# Altium PCB mantarray_beta2_sensor_arrayed.PcbDoc (part 9 of 14) (continued)
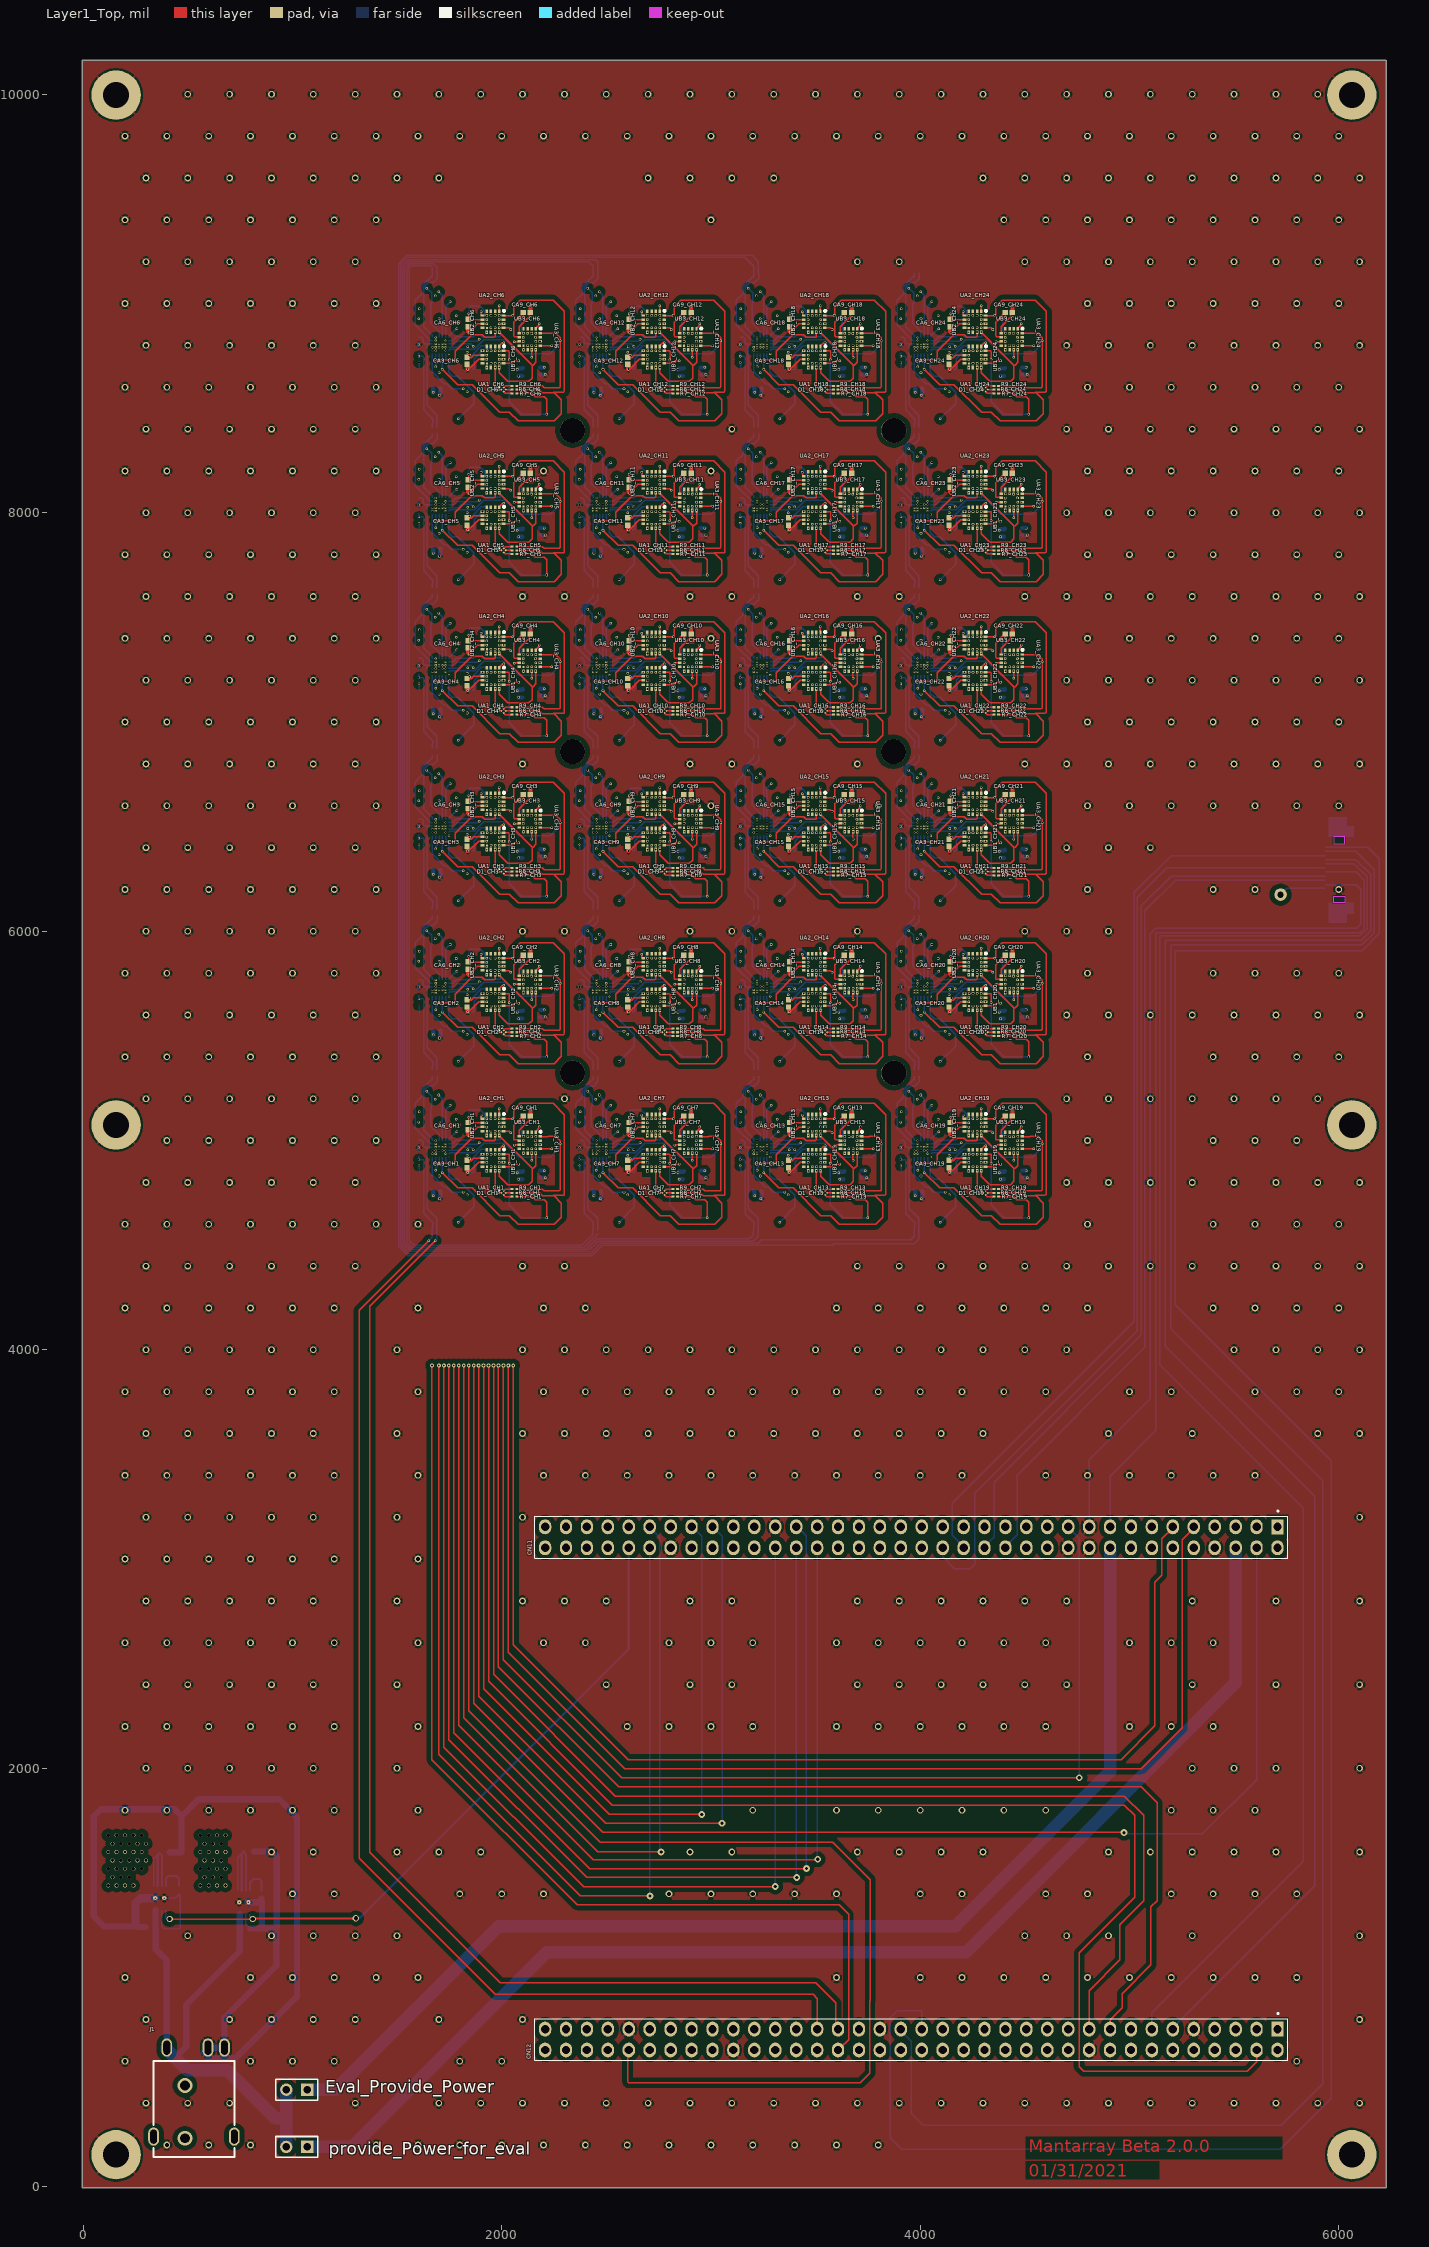
[diagram p0: Layer1_Top view]
## Nets (pads, with @x,y where several pads share a name; then routed paths per layer and width w, separated by ;. In a path a pad name is that pad's centre, name@x,y a point inside that pad or via, vN(x,y) a via of type N, cw(c..) or ccw(c..) an arc to the next point about the centre after c; other vN are vias at no path point) (continued)
  Layer7_sig2 w6: v3(1732.28,4952.76) 1833.49,4952.76 1836.65,4955.91 v1(1838.28,4955.91) ; v3(1732.28,5720.47) 1833.49,5720.47 1836.65,5723.63 v1(1838.28,5723.63) ; v3(1732.28,6488.19) 1833.49,6488.19 1836.65,6491.35 v1(1838.28,6491.35) ; v3(1732.28,7255.91) 1833.49,7255.91 1836.65,7259.06 v1(1838.28,7259.06) ; v3(1732.28,8023.62) 1833.49,8023.62 1836.65,8026.78 v1(1838.28,8026.78) ; v3(1732.28,8791.34) 1833.49,8791.34 1836.65,8794.5 v1(1838.28,8794.5) ; v4(1796.53,9560.31) 1796.97,9559.86 1818.71,9559.86 1819.16,9560.31 2530.24,9560.31 2599.71,9490.84 v4(2601.08,9490.84) ; v3(2500,4952.76) 2601.21,4952.76 2604.37,4955.91 v1(2605.99,4955.91) ; v3(2500,5720.47) 2601.21,5720.47 2604.37,5723.63 v1(2605.99,5723.63) ; v3(2500,6488.19) 2601.21,6488.19 2604.37,6491.35 v1(2605.99,6491.35) ; v3(2500,7255.91) 2601.21,7255.91 2604.37,7259.06 v1(2605.99,7259.06) ; v3(2500,8023.62) 2601.21,8023.62 2604.37,8026.78 v1(2605.99,8026.78) ; v3(2500,8791.34) 2601.21,8791.34 2604.37,8794.5 v1(2605.99,8794.5) ; v4(2591.8,4146.39) 2592.25,4146.83 2613.99,4146.83 2614.43,4146.39 3335.36,4146.39 3451.09,4262.11 v4(3452.45,4262.11) ; v3(3267.72,4952.76) 3368.93,4952.76 3372.09,4955.91 v1(3373.71,4955.91) ; v3(3267.72,5720.47) 3368.93,5720.47 3372.09,5723.63 v1(3373.71,5723.63) ; v3(3267.72,6488.19) 3368.93,6488.19 3372.09,6491.35 v1(3373.71,6491.35) ; v3(3267.72,7255.91) 3368.93,7255.91 3372.09,7259.06 v1(3373.71,7259.06) ; v3(3267.72,8023.62) 3368.93,8023.62 3372.09,8026.78 v1(3373.71,8026.78) ; v3(3267.72,8791.34) 3368.93,8791.34 3372.09,8794.5 v1(3373.71,8794.5) ; v4(3363.46,9542.59) 3363.9,9542.15 4106.03,9542.15 v4(4107.55,9540.62) ; v3(4035.43,4952.76) 4136.64,4952.76 4139.8,4955.91 v1(4141.43,4955.91) ; v3(4035.43,5720.47) 4136.64,5720.47 4139.8,5723.63 v1(4141.43,5723.63) ; v3(4035.43,6488.19) 4136.64,6488.19 4139.8,6491.35 v1(4141.43,6491.35) ; v3(4035.43,7255.91) 4136.64,7255.91 4139.8,7259.06 v1(4141.43,7259.06) ; v3(4035.43,8023.62) 4136.64,8023.62 4139.8,8026.78 v1(4141.43,8026.78) ; v3(4035.43,8791.34) 4136.64,8791.34 4139.8,8794.5 v1(4141.43,8794.5)
  Layer8_BOT w6: CN11.21@4707.48,3153.94 4707.48,3152.76 4759.84,3100.39 v9(4759.84,1954.72)
IOREF: CN11.12
mag_int_A_CH1: U1_CH1.B5 UA1_CH1.8 UB1_CH1.15 | length 970.6
  Layer1_Top w6: v1(1968.87,4764.15) 1968.93,4764.21 1968.93,4855.67 v1(1969,4855.73)
  Layer2_sig1 w6: v1(1949.31,4875.21) 1950.42,4874.1 1950.42,4868.47 1962.06,4856.84 1967.88,4856.84 v1(1969,4855.73)
  Layer7_sig2 w6: v3(1685.04,4984.25) 1683.93,4985.36 1650.46,4985.36 1620.08,5015.75 1588.58,5015.75 1582.68,5009.84 1582.68,4769.69 1661.42,4690.94 1965.36,4690.94 1968.87,4694.46 v1(1968.87,4764.15)
mag_int_A_CH2: U1_CH2.B5 UA1_CH2.8 UB1_CH2.15 | length 970.6
  Layer1_Top w6: v1(1968.87,5531.87) v1(1968.87,5531.87) 1968.93,5623.38 v1(1969,5623.44)
  Layer2_sig1 w6: v1(1949.31,5642.92) 1950.42,5641.81 1950.42,5636.19 1962.06,5624.56 1967.88,5624.56 v1(1969,5623.44)
  Layer7_sig2 w6: v3(1685.04,5751.97) 1683.93,5753.08 1650.46,5753.08 1620.08,5783.46 1588.58,5783.46 1582.68,5777.56 1582.68,5537.4 1661.42,5458.66 1965.36,5458.66 1968.87,5462.18 v1(1968.87,5531.87)
mag_int_A_CH3: U1_CH3.B5 UA1_CH3.8 UB1_CH3.15 | length 970.6
  Layer1_Top w6: v1(1968.87,6299.58) v1(1968.87,6299.58) 1968.93,6391.1 v1(1969,6391.16)
  Layer2_sig1 w6: v1(1949.31,6410.64) 1950.42,6409.53 1950.42,6403.91 1962.06,6392.27 1967.88,6392.27 v1(1969,6391.16)
  Layer7_sig2 w6: v3(1685.04,6519.69) 1683.93,6520.8 1650.46,6520.8 1620.08,6551.18 1588.58,6551.18 1582.68,6545.28 1582.68,6305.12 1661.42,6226.38 1965.36,6226.38 1968.87,6229.89 v1(1968.87,6299.58)
mag_int_A_CH4: U1_CH4.B5 UA1_CH4.8 UB1_CH4.15 | length 970.6
  Layer1_Top w6: v1(1968.87,7067.3) 1968.93,7067.36 1968.93,7158.82 v1(1969,7158.88)
  Layer2_sig1 w6: v1(1949.31,7178.36) 1950.42,7177.25 1950.42,7171.62 1962.06,7159.99 1967.88,7159.99 v1(1969,7158.88)
  Layer7_sig2 w6: v3(1685.04,7287.4) 1683.93,7288.51 1650.46,7288.51 1620.08,7318.9 1588.58,7318.9 1582.68,7312.99 1582.68,7072.83 1661.42,6994.09 1965.36,6994.09 1968.87,6997.61 v1(1968.87,7067.3)
mag_int_A_CH5: U1_CH5.B5 UA1_CH5.8 UB1_CH5.15 | length 970.6
  Layer1_Top w6: v1(1968.87,7835.01) 1968.93,7835.08 1968.93,7926.53 v1(1969,7926.59)
  Layer2_sig1 w6: v1(1949.31,7946.07) 1950.42,7944.96 1950.42,7939.34 1962.06,7927.71 1967.88,7927.71 v1(1969,7926.59)
  Layer7_sig2 w6: v3(1685.04,8055.12) 1683.93,8056.23 1650.46,8056.23 1620.08,8086.61 1588.58,8086.61 1582.68,8080.71 1582.68,7840.55 1661.42,7761.81 1965.36,7761.81 1968.87,7765.33 v1(1968.87,7835.01)
mag_int_A_CH6: U1_CH6.B5 UA1_CH6.8 UB1_CH6.15 | length 970.6
  Layer1_Top w6: v1(1968.87,8602.73) 1968.93,8602.79 1968.93,8694.25 v1(1969,8694.31)
  Layer2_sig1 w6: v1(1949.31,8713.79) 1950.42,8712.68 1950.42,8707.06 1962.06,8695.42 1967.88,8695.42 v1(1969,8694.31)
  Layer7_sig2 w6: v3(1685.04,8822.83) 1683.93,8823.95 1650.46,8823.95 1620.08,8854.33 1588.58,8854.33 1582.68,8848.43 1582.68,8608.27 1661.42,8529.53 1965.36,8529.53 1968.87,8533.04 v1(1968.87,8602.73)
mag_int_A_CH7: U1_CH7.B5 UA1_CH7.8 UB1_CH7.15 | length 970.6
  Layer1_Top w6: v1(2736.59,4764.15) 2736.65,4764.21 v1(2736.71,4855.73) v1(2736.71,4855.73)
  Layer2_sig1 w6: v1(2717.03,4875.21) 2718.14,4874.1 2718.14,4868.47 2729.77,4856.84 2735.6,4856.84 v1(2736.71,4855.73)
  Layer7_sig2 w6: v3(2452.76,4984.25) 2451.64,4985.36 2418.18,4985.36 2387.8,5015.75 2356.3,5015.75 2350.39,5009.84 2350.39,4769.69 2429.13,4690.94 2733.07,4690.94 2736.59,4694.46 v1(2736.59,4764.15)
mag_int_A_CH8: U1_CH8.B5 UA1_CH8.8 UB1_CH8.15 | length 970.6
  Layer1_Top w6: v1(2736.59,5531.87) 2736.65,5531.93 v1(2736.71,5623.44) v1(2736.71,5623.44)
  Layer2_sig1 w6: v1(2717.03,5642.92) 2718.14,5641.81 2718.14,5636.19 2729.77,5624.56 2735.6,5624.56 v1(2736.71,5623.44)
  Layer7_sig2 w6: v3(2452.76,5751.97) 2451.64,5753.08 2418.18,5753.08 2387.8,5783.46 2356.3,5783.46 2350.39,5777.56 2350.39,5537.4 2429.13,5458.66 2733.07,5458.66 2736.59,5462.18 v1(2736.59,5531.87)
mag_int_A_CH9: U1_CH9.B5 UA1_CH9.8 UB1_CH9.15 | length 970.6
  Layer1_Top w6: v1(2736.59,6299.58) 2736.65,6299.64 2736.65,6391.1 v1(2736.71,6391.16)
  Layer2_sig1 w6: v1(2717.03,6410.64) 2718.14,6409.53 2718.14,6403.91 2729.77,6392.27 2735.6,6392.27 v1(2736.71,6391.16)
  Layer7_sig2 w6: v3(2452.76,6519.69) 2451.64,6520.8 2418.18,6520.8 2387.8,6551.18 2356.3,6551.18 2350.39,6545.28 2350.39,6305.12 2429.13,6226.38 2733.07,6226.38 2736.59,6229.89 v1(2736.59,6299.58)
mag_int_A_CH10: U1_CH10.B5 UA1_CH10.8 UB1_CH10.15 | length 970.6
  Layer1_Top w6: v1(2736.59,7067.3) 2736.65,7067.36 2736.65,7158.82 v1(2736.71,7158.88)
  Layer2_sig1 w6: v1(2717.03,7178.36) 2718.14,7177.25 2718.14,7171.62 2729.77,7159.99 2735.6,7159.99 v1(2736.71,7158.88)
  Layer7_sig2 w6: v3(2452.76,7287.4) 2451.64,7288.51 2418.18,7288.51 2387.8,7318.9 2356.3,7318.9 2350.39,7312.99 2350.39,7072.83 2429.13,6994.09 2733.07,6994.09 2736.59,6997.61 v1(2736.59,7067.3)
mag_int_A_CH11: U1_CH11.B5 UA1_CH11.8 UB1_CH11.15 | length 970.6
  Layer1_Top w6: v1(2736.59,7835.01) 2736.65,7835.08 2736.65,7926.53 v1(2736.71,7926.59)
  Layer2_sig1 w6: v1(2717.03,7946.07) 2718.14,7944.96 2718.14,7939.34 2729.77,7927.71 2735.6,7927.71 v1(2736.71,7926.59)
  Layer7_sig2 w6: v3(2452.76,8055.12) 2451.64,8056.23 2418.18,8056.23 2387.8,8086.61 2356.3,8086.61 2350.39,8080.71 2350.39,7840.55 2429.13,7761.81 2733.07,7761.81 2736.59,7765.33 v1(2736.59,7835.01)
mag_int_A_CH12: U1_CH12.B5 UA1_CH12.8 UB1_CH12.15 | length 970.6
  Layer1_Top w6: v1(2736.59,8602.73) 2736.65,8602.79 2736.65,8694.25 v1(2736.71,8694.31)
  Layer2_sig1 w6: v1(2717.03,8713.79) 2718.14,8712.68 2718.14,8707.06 2729.77,8695.42 2735.6,8695.42 v1(2736.71,8694.31)
  Layer7_sig2 w6: v3(2452.76,8822.83) 2451.64,8823.95 2418.18,8823.95 2387.8,8854.33 2356.3,8854.33 2350.39,8848.43 2350.39,8608.27 2429.13,8529.53 2733.07,8529.53 2736.59,8533.04 v1(2736.59,8602.73)
mag_int_A_CH13: U1_CH13.B5 UA1_CH13.8 UB1_CH13.15 | length 970.6
  Layer1_Top w6: v1(3504.31,4764.15) 3504.37,4764.21 v1(3504.43,4855.73) v1(3504.43,4855.73)
  Layer2_sig1 w6: v1(3484.75,4875.21) 3485.86,4874.1 3485.86,4868.47 3497.49,4856.84 3503.32,4856.84 v1(3504.43,4855.73)
  Layer7_sig2 w6: v3(3220.47,4984.25) 3219.36,4985.36 3185.9,4985.36 3155.51,5015.75 3124.02,5015.75 3118.11,5009.84 3118.11,4769.69 3196.85,4690.94 3500.79,4690.94 3504.31,4694.46 v1(3504.31,4764.15)
mag_int_A_CH14: U1_CH14.B5 UA1_CH14.8 UB1_CH14.15 | length 970.6
  Layer1_Top w6: v1(3504.31,5531.87) 3504.37,5531.93 v1(3504.43,5623.44) v1(3504.43,5623.44)
  Layer2_sig1 w6: v1(3484.75,5642.92) 3485.86,5641.81 3485.86,5636.19 3497.49,5624.56 3503.32,5624.56 v1(3504.43,5623.44)
  Layer7_sig2 w6: v3(3220.47,5751.97) 3219.36,5753.08 3185.9,5753.08 3155.51,5783.46 3124.02,5783.46 3118.11,5777.56 3118.11,5537.4 3196.85,5458.66 3500.79,5458.66 3504.31,5462.18 v1(3504.31,5531.87)
mag_int_A_CH15: U1_CH15.B5 UA1_CH15.8 UB1_CH15.15 | length 970.6
  Layer1_Top w6: v1(3504.31,6299.58) 3504.37,6299.64 3504.37,6391.1 v1(3504.43,6391.16)
  Layer2_sig1 w6: v1(3484.75,6410.64) 3485.86,6409.53 3485.86,6403.91 3497.49,6392.27 3503.32,6392.27 v1(3504.43,6391.16)
  Layer7_sig2 w6: v3(3220.47,6519.69) 3219.36,6520.8 3185.9,6520.8 3155.51,6551.18 3124.02,6551.18 3118.11,6545.28 3118.11,6305.12 3196.85,6226.38 3500.79,6226.38 3504.31,6229.89 v1(3504.31,6299.58)
mag_int_A_CH16: U1_CH16.B5 UA1_CH16.8 UB1_CH16.15 | length 970.6
  Layer1_Top w6: v1(3504.31,7067.3) 3504.37,7067.36 3504.37,7158.82 v1(3504.43,7158.88)
  Layer2_sig1 w6: v1(3484.75,7178.36) 3485.86,7177.25 3485.86,7171.62 3497.49,7159.99 3503.32,7159.99 v1(3504.43,7158.88)
  Layer7_sig2 w6: v3(3220.47,7287.4) 3219.36,7288.51 3185.9,7288.51 3155.51,7318.9 3124.02,7318.9 3118.11,7312.99 3118.11,7072.83 3196.85,6994.09 3500.79,6994.09 3504.31,6997.61 v1(3504.31,7067.3)
mag_int_A_CH17: U1_CH17.B5 UA1_CH17.8 UB1_CH17.15 | length 970.6
  Layer1_Top w6: v1(3504.31,7835.01) 3504.37,7835.08 3504.37,7926.53 v1(3504.43,7926.59)
  Layer2_sig1 w6: v1(3484.75,7946.07) 3485.86,7944.96 3485.86,7939.34 3497.49,7927.71 3503.32,7927.71 v1(3504.43,7926.59)
  Layer7_sig2 w6: v3(3220.47,8055.12) 3219.36,8056.23 3185.9,8056.23 3155.51,8086.61 3124.02,8086.61 3118.11,8080.71 3118.11,7840.55 3196.85,7761.81 3500.79,7761.81 3504.31,7765.33 v1(3504.31,7835.01)
mag_int_A_CH18: U1_CH18.B5 UA1_CH18.8 UB1_CH18.15 | length 970.6
  Layer1_Top w6: v1(3504.31,8602.73) 3504.37,8602.79 3504.37,8694.25 v1(3504.43,8694.31)
  Layer2_sig1 w6: v1(3484.75,8713.79) 3485.86,8712.68 3485.86,8707.06 3497.49,8695.42 3503.32,8695.42 v1(3504.43,8694.31)
  Layer7_sig2 w6: v3(3220.47,8822.83) 3219.36,8823.95 3185.9,8823.95 3155.51,8854.33 3124.02,8854.33 3118.11,8848.43 3118.11,8608.27 3196.85,8529.53 3500.79,8529.53 3504.31,8533.04 v1(3504.31,8602.73)
mag_int_A_CH19: U1_CH19.B5 UA1_CH19.8 UB1_CH19.15 | length 970.6
  Layer1_Top w6: v1(4272.02,4764.15) 4272.08,4764.21 v1(4272.15,4855.73) v1(4272.15,4855.73)
  Layer2_sig1 w6: v1(4252.46,4875.21) 4253.57,4874.1 4253.57,4868.47 4265.21,4856.84 4271.03,4856.84 v1(4272.15,4855.73)
  Layer7_sig2 w6: v3(3988.19,4984.25) 3987.08,4985.36 3953.61,4985.36 3923.23,5015.75 3891.73,5015.75 3885.83,5009.84 3885.83,4769.69 3964.57,4690.94 4268.51,4690.94 4272.02,4694.46 v1(4272.02,4764.15)
mag_int_A_CH20: U1_CH20.B5 UA1_CH20.8 UB1_CH20.15 | length 970.6
  Layer1_Top w6: v1(4272.02,5531.87) 4272.08,5531.93 v1(4272.15,5623.44) v1(4272.15,5623.44)
  Layer2_sig1 w6: v1(4252.46,5642.92) 4253.57,5641.81 4253.57,5636.19 4265.21,5624.56 4271.03,5624.56 v1(4272.15,5623.44)
  Layer7_sig2 w6: v3(3988.19,5751.97) 3987.08,5753.08 3953.61,5753.08 3923.23,5783.46 3891.73,5783.46 3885.83,5777.56 3885.83,5537.4 3964.57,5458.66 4268.51,5458.66 4272.02,5462.18 v1(4272.02,5531.87)
mag_int_A_CH21: U1_CH21.B5 UA1_CH21.8 UB1_CH21.15 | length 970.6
  Layer1_Top w6: v1(4272.02,6299.58) 4272.08,6299.64 4272.08,6391.1 v1(4272.15,6391.16)
  Layer2_sig1 w6: v1(4252.46,6410.64) 4253.57,6409.53 4253.57,6403.91 4265.21,6392.27 4271.03,6392.27 v1(4272.15,6391.16)
  Layer7_sig2 w6: v3(3988.19,6519.69) 3987.08,6520.8 3953.61,6520.8 3923.23,6551.18 3891.73,6551.18 3885.83,6545.28 3885.83,6305.12 3964.57,6226.38 4268.51,6226.38 4272.02,6229.89 v1(4272.02,6299.58)
mag_int_A_CH22: U1_CH22.B5 UA1_CH22.8 UB1_CH22.15 | length 970.6
  Layer1_Top w6: v1(4272.02,7067.3) 4272.08,7067.36 4272.08,7158.82 v1(4272.15,7158.88)
  Layer2_sig1 w6: v1(4252.46,7178.36) 4253.57,7177.25 4253.57,7171.62 4265.21,7159.99 4271.03,7159.99 v1(4272.15,7158.88)
  Layer7_sig2 w6: v3(3988.19,7287.4) 3987.08,7288.51 3953.61,7288.51 3923.23,7318.9 3891.73,7318.9 3885.83,7312.99 3885.83,7072.83 3964.57,6994.09 4268.51,6994.09 4272.02,6997.61 v1(4272.02,7067.3)
mag_int_A_CH23: U1_CH23.B5 UA1_CH23.8 UB1_CH23.15 | length 970.6
  Layer1_Top w6: v1(4272.02,7835.01) 4272.08,7835.08 4272.08,7926.53 v1(4272.15,7926.59)
  Layer2_sig1 w6: v1(4252.46,7946.07) 4253.57,7944.96 4253.57,7939.34 4265.21,7927.71 4271.03,7927.71 v1(4272.15,7926.59)
  Layer7_sig2 w6: v3(3988.19,8055.12) 3987.08,8056.23 3953.61,8056.23 3923.23,8086.61 3891.73,8086.61 3885.83,8080.71 3885.83,7840.55 3964.57,7761.81 4268.51,7761.81 4272.02,7765.33 v1(4272.02,7835.01)
mag_int_A_CH24: U1_CH24.B5 UA1_CH24.8 UB1_CH24.15 | length 970.6
  Layer1_Top w6: v1(4272.02,8602.73) 4272.08,8602.79 4272.08,8694.25 v1(4272.15,8694.31)
  Layer2_sig1 w6: v1(4252.46,8713.79) 4253.57,8712.68 4253.57,8707.06 4265.21,8695.42 4271.03,8695.42 v1(4272.15,8694.31)
  Layer7_sig2 w6: v3(3988.19,8822.83) 3987.08,8823.95 3953.61,8823.95 3923.23,8854.33 3891.73,8854.33 3885.83,8848.43 3885.83,8608.27 3964.57,8529.53 4268.51,8529.53 4272.02,8533.04 v1(4272.02,8602.73)
mag_int_B_CH1: U1_CH1.F5 UA2_CH1.8 UB2_CH1.15 | length 447.9
  Layer1_Top w6: v1(1683.07,4893.7) 1684.18,4892.59 1688.29,4892.59 1689.15,4891.73 1771.65,4891.73 1777.56,4897.64 1777.56,4932.65 1856.72,5011.81 1907.48,5011.81 1919.29,5000 1964.99,5000 1968.5,5003.51 v1(1968.5,5025.59) ; UA2_CH1.8@1948.82,5044.5 v1(1948.82,5045.38)
  Layer2_sig1 w6: v1(1948.82,5045.38) 1948.82,5035.43 1958.66,5025.59 v1(1968.5,5025.59)
  Layer8_BOT w6: v1(1683.07,4893.7) 1683.07,4895.27 1685.04,4897.24 U1_CH1.F5@1685.04,4921.26
mag_int_B_CH2: U1_CH2.F5 UA2_CH2.8 UB2_CH2.15 | length 447.9
  Layer1_Top w6: v1(1683.07,5661.42) 1684.18,5660.31 1688.29,5660.31 1689.15,5659.45 1771.65,5659.45 1777.56,5665.35 1777.56,5700.37 1856.72,5779.53 1907.48,5779.53 1919.29,5767.72 1964.99,5767.72 1968.5,5771.23 v1(1968.5,5793.31) ; UA2_CH2.8@1948.82,5812.21 v1(1948.82,5813.1)
  Layer2_sig1 w6: v1(1948.82,5813.1) 1948.82,5803.15 1958.66,5793.31 v1(1968.5,5793.31)
  Layer8_BOT w6: v1(1683.07,5661.42) 1683.07,5662.99 1685.04,5664.96 U1_CH2.F5@1685.04,5688.98
mag_int_B_CH3: U1_CH3.F5 UA2_CH3.8 UB2_CH3.15 | length 447.9
  Layer1_Top w6: v1(1683.07,6429.13) 1684.18,6428.02 1688.29,6428.02 1689.15,6427.17 1771.65,6427.17 1777.56,6433.07 1777.56,6468.08 1856.72,6547.24 1907.48,6547.24 1919.29,6535.43 1964.99,6535.43 1968.5,6538.95 v1(1968.5,6561.02) ; UA2_CH3.8@1948.82,6579.93 v1(1948.82,6580.81)
  Layer2_sig1 w6: v1(1948.82,6580.81) 1948.82,6570.87 1958.66,6561.02 v1(1968.5,6561.02)
  Layer8_BOT w6: v1(1683.07,6429.13) 1683.07,6430.71 1685.04,6432.67 U1_CH3.F5@1685.04,6456.69
mag_int_B_CH4: U1_CH4.F5 UA2_CH4.8 UB2_CH4.15 | length 447.9
  Layer1_Top w6: v1(1683.07,7196.85) 1684.18,7195.74 1688.29,7195.74 1689.15,7194.88 1771.65,7194.88 1777.56,7200.79 1777.56,7235.8 1856.72,7314.96 1907.48,7314.96 1919.29,7303.15 1964.99,7303.15 1968.5,7306.66 v1(1968.5,7328.74) ; UA2_CH4.8@1948.82,7347.65 v1(1948.82,7348.53)
  Layer2_sig1 w6: v1(1948.82,7348.53) 1948.82,7338.58 1958.66,7328.74 v1(1968.5,7328.74)
  Layer8_BOT w6: v1(1683.07,7196.85) 1683.07,7198.42 1685.04,7200.39 U1_CH4.F5@1685.04,7224.41
mag_int_B_CH5: U1_CH5.F5 UA2_CH5.8 UB2_CH5.15 | length 447.9
  Layer1_Top w6: v1(1683.07,7964.57) 1684.18,7963.46 1688.29,7963.46 1689.15,7962.6 1771.65,7962.6 1777.56,7968.5 1777.56,8003.52 1856.72,8082.68 1907.48,8082.68 1919.29,8070.87 1964.99,8070.87 1968.5,8074.38 v1(1968.5,8096.46) ; UA2_CH5.8@1948.82,8115.36 v1(1948.82,8116.25)
  Layer2_sig1 w6: v1(1948.82,8116.25) 1948.82,8106.3 1958.66,8096.46 v1(1968.5,8096.46)
  Layer8_BOT w6: v1(1683.07,7964.57) 1683.07,7966.14 1685.04,7968.11 U1_CH5.F5@1685.04,7992.13
mag_int_B_CH6: U1_CH6.F5 UA2_CH6.8 UB2_CH6.15 | length 447.9
  Layer1_Top w6: v1(1683.07,8732.28) 1684.18,8731.17 1688.29,8731.17 1689.15,8730.31 1771.65,8730.31 1777.56,8736.22 1777.56,8771.23 1856.72,8850.39 1907.48,8850.39 1919.29,8838.58 1964.99,8838.58 1968.5,8842.1 v1(1968.5,8864.17) ; UA2_CH6.8@1948.82,8883.08 v1(1948.82,8883.96)
  Layer2_sig1 w6: v1(1948.82,8883.96) 1948.82,8874.02 1958.66,8864.17 v1(1968.5,8864.17)
  Layer8_BOT w6: v1(1683.07,8732.28) 1683.07,8733.86 1685.04,8735.82 U1_CH6.F5@1685.04,8759.84
mag_int_B_CH7: U1_CH7.F5 UA2_CH7.8 UB2_CH7.15 | length 447.9
  Layer1_Top w6: v1(2450.79,4893.7) 2451.9,4892.59 2456.01,4892.59 2456.86,4891.73 2539.37,4891.73 2545.28,4897.64 2545.28,4932.65 2624.44,5011.81 2675.2,5011.81 2687.01,5000 2732.71,5000 2736.22,5003.51 v1(2736.22,5025.59) ; UA2_CH7.8@2716.53,5044.5 v1(2716.53,5045.38)
  Layer2_sig1 w6: v1(2716.53,5045.38) 2716.53,5035.43 2726.38,5025.59 v1(2736.22,5025.59)
  Layer8_BOT w6: v1(2450.79,4893.7) 2450.79,4895.27 2452.76,4897.24 U1_CH7.F5@2452.76,4921.26
mag_int_B_CH8: U1_CH8.F5 UA2_CH8.8 UB2_CH8.15 | length 447.9
  Layer1_Top w6: v1(2450.79,5661.42) 2451.9,5660.31 2456.01,5660.31 2456.86,5659.45 2539.37,5659.45 2545.28,5665.35 2545.28,5700.37 2624.44,5779.53 2675.2,5779.53 2687.01,5767.72 2732.71,5767.72 2736.22,5771.23 v1(2736.22,5793.31) ; UA2_CH8.8@2716.53,5812.21 v1(2716.53,5813.1)
  Layer2_sig1 w6: v1(2716.53,5813.1) 2716.53,5803.15 2726.38,5793.31 v1(2736.22,5793.31)
  Layer8_BOT w6: v1(2450.79,5661.42) 2450.79,5662.99 2452.76,5664.96 U1_CH8.F5@2452.76,5688.98
mag_int_B_CH9: U1_CH9.F5 UA2_CH9.8 UB2_CH9.15 | length 447.9
  Layer1_Top w6: v1(2450.79,6429.13) 2451.9,6428.02 2456.01,6428.02 2456.86,6427.17 2539.37,6427.17 2545.28,6433.07 2545.28,6468.08 2624.44,6547.24 2675.2,6547.24 2687.01,6535.43 2732.71,6535.43 2736.22,6538.95 v1(2736.22,6561.02) ; UA2_CH9.8@2716.53,6579.93 v1(2716.53,6580.81)
  Layer2_sig1 w6: v1(2716.53,6580.81) 2716.53,6570.87 2726.38,6561.02 v1(2736.22,6561.02)
  Layer8_BOT w6: v1(2450.79,6429.13) 2450.79,6430.71 2452.76,6432.67 U1_CH9.F5@2452.76,6456.69
mag_int_B_CH10: U1_CH10.F5 UA2_CH10.8 UB2_CH10.15 | length 447.9
  Layer1_Top w6: v1(2450.79,7196.85) 2451.9,7195.74 2456.01,7195.74 2456.86,7194.88 2539.37,7194.88 2545.28,7200.79 2545.28,7235.8 2624.44,7314.96 2675.2,7314.96 2687.01,7303.15 2732.71,7303.15 2736.22,7306.66 v1(2736.22,7328.74) ; UA2_CH10.8@2716.53,7347.65 v1(2716.53,7348.53)
  Layer2_sig1 w6: v1(2716.53,7348.53) 2716.53,7338.58 2726.38,7328.74 v1(2736.22,7328.74)
  Layer8_BOT w6: v1(2450.79,7196.85) 2450.79,7198.42 2452.76,7200.39 U1_CH10.F5@2452.76,7224.41
mag_int_B_CH11: U1_CH11.F5 UA2_CH11.8 UB2_CH11.15 | length 447.9
  Layer1_Top w6: v1(2450.79,7964.57) 2451.9,7963.46 2456.01,7963.46 2456.86,7962.6 2539.37,7962.6 2545.28,7968.5 2545.28,8003.52 2624.44,8082.68 2675.2,8082.68 2687.01,8070.87 2732.71,8070.87 2736.22,8074.38 v1(2736.22,8096.46) ; UA2_CH11.8@2716.53,8115.36 v1(2716.53,8116.25)
  Layer2_sig1 w6: v1(2716.53,8116.25) 2716.53,8106.3 2726.38,8096.46 v1(2736.22,8096.46)
  Layer8_BOT w6: v1(2450.79,7964.57) 2450.79,7966.14 2452.76,7968.11 U1_CH11.F5@2452.76,7992.13
mag_int_B_CH12: U1_CH12.F5 UA2_CH12.8 UB2_CH12.15 | length 447.9
  Layer1_Top w6: v1(2450.79,8732.28) 2451.9,8731.17 2456.01,8731.17 2456.86,8730.31 2539.37,8730.31 2545.28,8736.22 2545.28,8771.23 2624.44,8850.39 2675.2,8850.39 2687.01,8838.58 2732.71,8838.58 2736.22,8842.1 v1(2736.22,8864.17) ; UA2_CH12.8@2716.53,8883.08 v1(2716.53,8883.96)
  Layer2_sig1 w6: v1(2716.53,8883.96) 2716.53,8874.02 2726.38,8864.17 v1(2736.22,8864.17)
  Layer8_BOT w6: v1(2450.79,8732.28) 2450.79,8733.86 2452.76,8735.82 U1_CH12.F5@2452.76,8759.84
mag_int_B_CH13: U1_CH13.F5 UA2_CH13.8 UB2_CH13.15 | length 447.9
  Layer1_Top w6: v1(3218.5,4893.7) 3219.62,4892.59 3223.72,4892.59 3224.58,4891.73 3307.09,4891.73 3312.99,4897.64 3312.99,4932.65 3392.15,5011.81 3442.91,5011.81 3454.72,5000 3500.42,5000 3503.94,5003.51 v1(3503.94,5025.59) ; UA2_CH13.8@3484.25,5044.5 v1(3484.25,5045.38)
  Layer2_sig1 w6: v1(3484.25,5045.38) 3484.25,5035.43 3494.09,5025.59 v1(3503.94,5025.59)
  Layer8_BOT w6: v1(3218.5,4893.7) 3218.5,4895.27 3220.47,4897.24 U1_CH13.F5@3220.47,4921.26